# Allegro board 08_038702e.brd (continued)
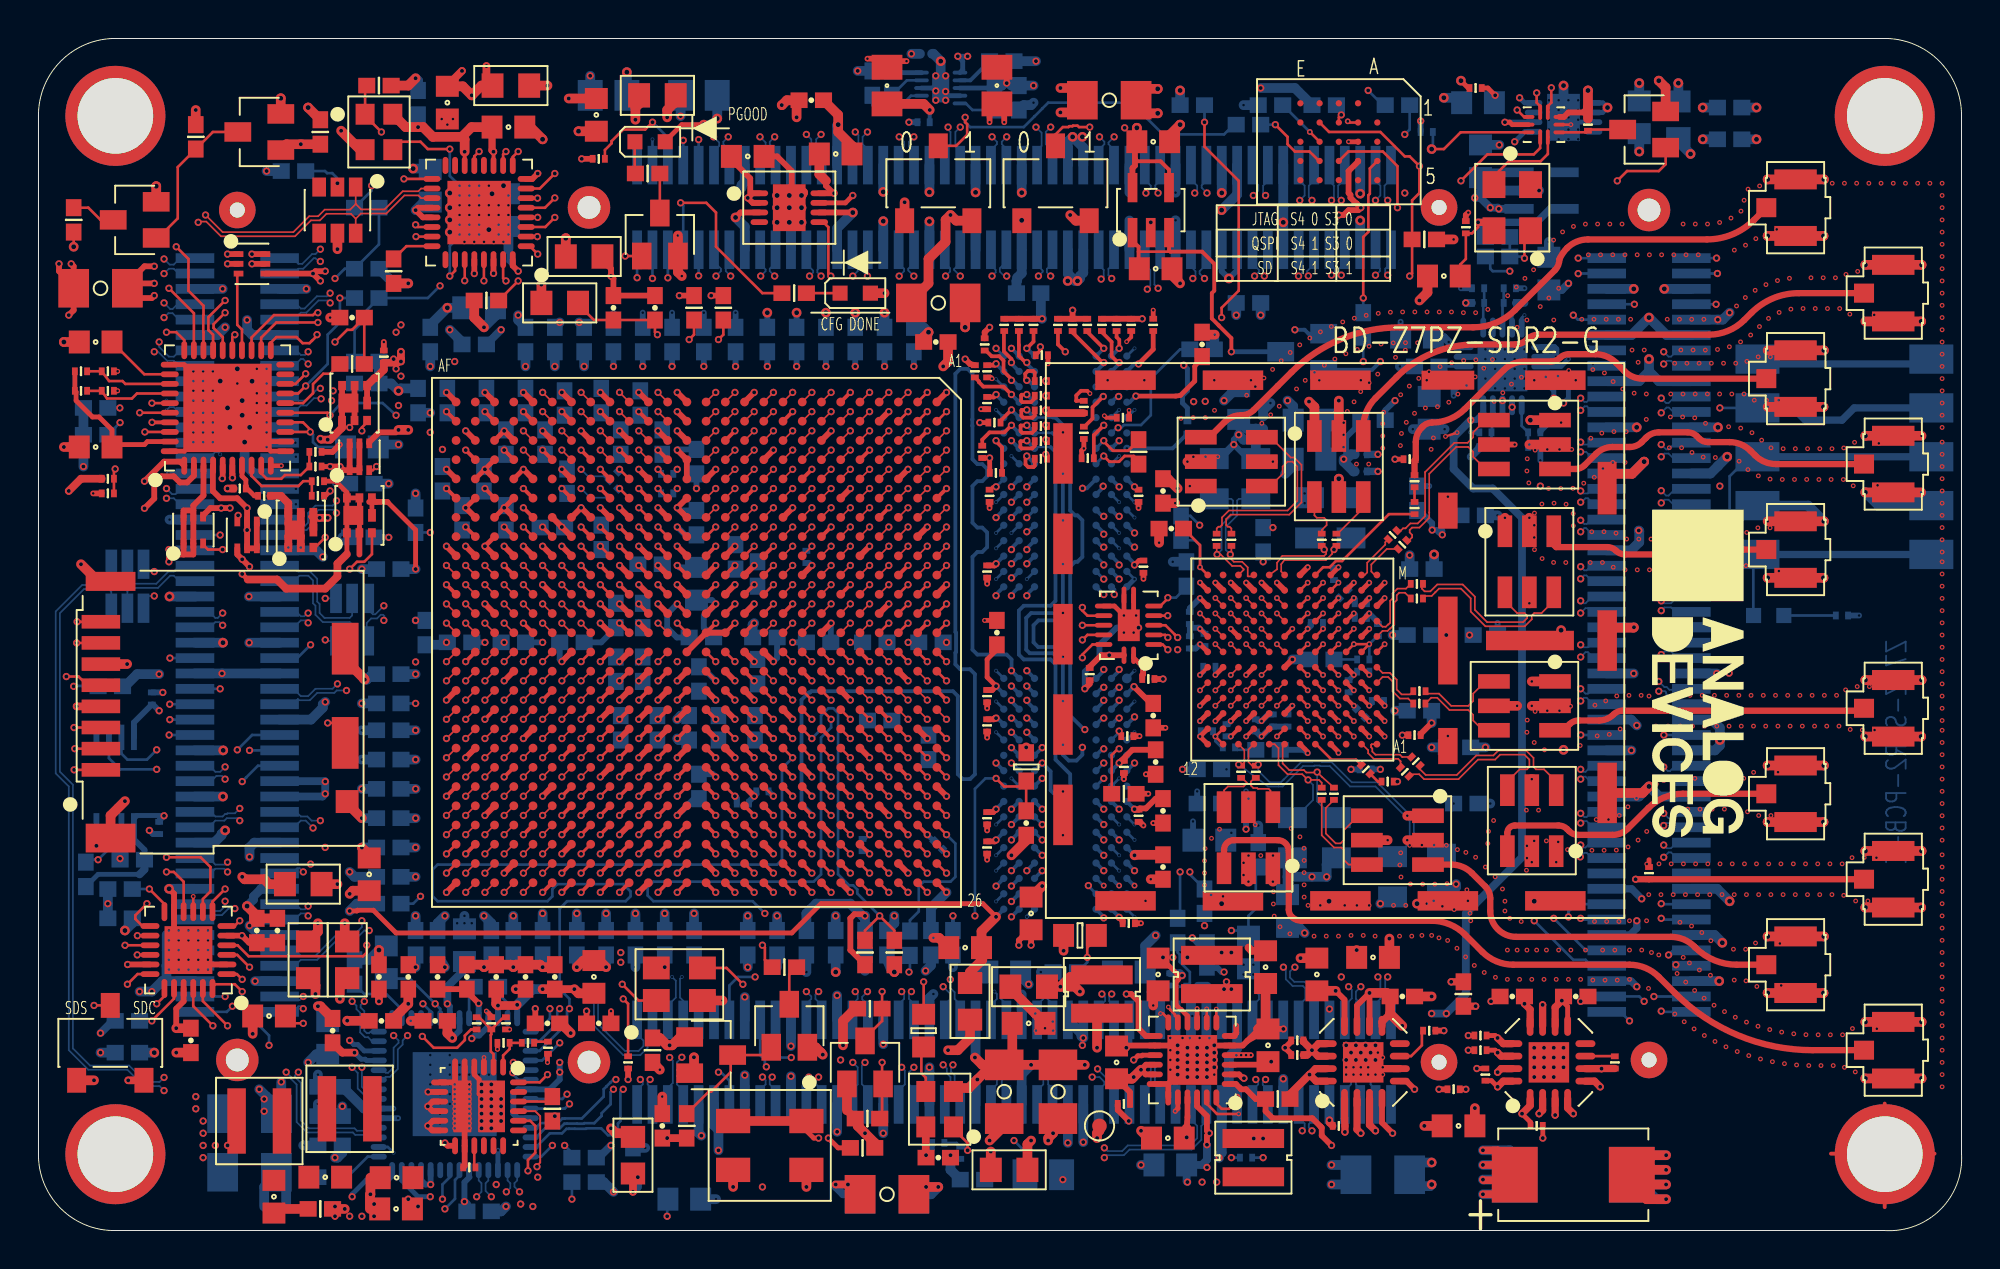
[diagram p0: board, top side]
## Library data of the parts (continued)
SW1 = SWSPST4PIN_V2: User Part Number: UPN; Tolerance: N/A; alternate symbols: (); part number: SWSPST4PIN_V2_SM-7914J-1-000E,E011086,SWSMSQ197H165; tolerance: N/A
T1-T8 = XFMRTCMXXXX_V3: Tolerance: N/A; User Part Number: UPN; alternate symbols: (); part number: XFMRTCMXXXX_V3_SM-TCM1-63AX+,E018203,TSML150W160H160; tolerance: N/A
TP2 = NCTESTPAD: Tolerance: N/A; User Part Number: UPN; alternate symbols: (); part number: NCTESTPAD_SM-TESTPAD,E012884,TPSMC30; tolerance: N/A
U1 = ICXC7Z035: Tolerance: N/A; User Part Number: UPN; alternate symbols: (); part number: ICXC7Z035_SM-XC7Z035-L2FBG676I,E022235,FBGA676; tolerance: N/A
U2 U3 = ICMT41K256M16: User Part Number: UPN; Tolerance: N/A; alternate symbols: (); part number: ICMT41K256M16_SM-MT41K256M16TW-107:P,E025442,FBGA96_C; tolerance: N/A
U4 = ADP5135: Tolerance: N/A; User Part Number: UPN; alternate symbols: (); part number: ADP5135_SM-ADP5135,E019805,QFN24_4X4_PAD2_6X2_6; tolerance: N/A
U5 = ADG772: User Part Number: UPN; Tolerance: N/A; alternate symbols: (); part number: ADG772_SM-ADG772BCPZ,E010354,QFN10_1_6X1_3; tolerance: N/A
U6 = ADP7102: Tolerance: N/A; User Part Number: UPN; alternate symbols: (); part number: ADP7102_SM-ADP7102ACPZ-2.5,E021467,QFN8_3X3_PAD2_44X1_7; tolerance: N/A
U7 = ADM1166: User Part Number: UPN; Tolerance: N/A; alternate symbols: (); part number: ADM1166_SM-ADM1166ACPZ,E016939,QFN40_6X6_PAD4_6X4_6; tolerance: N/A
U8 = ADM7160: User Part Number: UPN; Tolerance: N/A; alternate symbols: (); part number: ADM7160_SM-ADM7160AUJZ-1.8,E018469,TSOT-5; tolerance: N/A
U9 = ADP7104: Tolerance: N/A; User Part Number: UPN; alternate symbols: (); part number: ADP7104_SM-ADP7104ACPZ-3.3-R7,E014912,QFN8_3X3_PAD2_44X1_7; tolerance: N/A
U10 = IC88E151X: User Part Number: UPN; Tolerance: N/A; alternate symbols: (); part number: IC88E151X_SM-88E1512-56QFN,E018914,QFN56_8X8_PAD4_37X4_37; tolerance: N/A
U11 = ICTXS02612RTW: User Part Number: UPN; Tolerance: N/A; alternate symbols: (); part number: ICTXS02612RTW_SM-TXS02612RTWR,E021332,QFN24_4X4_PAD2_5X2_5; tolerance: N/A
U13 = ICN25Q256A_V2: User Part Number: UPN; Tolerance: N/A; alternate symbols: (); part number: ICN25Q256A_V2_SM-N25Q256A11E1240,E023338,TBGA24; tolerance: N/A
U14 = ICTPS51206: Tolerance: N/A; User Part Number: UPN; alternate symbols: (); part number: ICTPS51206_SM-TPS51206DSQR,E021346,SON10_2X2_PAD1_5X0_9; tolerance: N/A
U15 = ICUSB3320C: Tolerance: N/A; User Part Number: UPN; alternate symbols: (); part number: ICUSB3320C_SM-USB3320C-EZK,E021334,QFN32_5X5_PAD3_3X3_3; tolerance: N/A
U16 = DIO6P_V8: User Part Number: UPN; Tolerance: N/A; alternate symbols: (); part number: DIO6P_V8_SM-CDSOT23-SR208,20V,N/A,E021337,SOT23_6-2; tolerance: N/A
U17 = AD9361: Tolerance: N/A; User Part Number: UPN; alternate symbols: (); part number: AD9361_SM-AD9361BBCZ,E011827,BGA144; tolerance: N/A
U18 = ADP238X: User Part Number: UPN; Tolerance: N/A; alternate symbols: (); part number: ADP238X_SM-ADP2386ACPZN,E012985,QFN24_4X4_2PAD; tolerance: N/A
U19 U20 = ADP1754: Tolerance: N/A; User Part Number: UPN; alternate symbols: (); part number: ADP1754_SM-ADP1754ACPZ-1.3,E022696,QFN16_4X4_PAD2_1X2_1; tolerance: N/A
U21 = CMOSTCA9517: Tolerance: N/A; User Part Number: UPN; alternate symbols: (); part number: CMOSTCA9517_SM-TCA9517DGKR,E022173,MSOP8; tolerance: N/A
U22 = ICFXL4T245: Tolerance: N/A; User Part Number: UPN; alternate symbols: (); part number: ICFXL4T245_SM-FXL4T245BQX,E021654,DQFN14_3X2_5_PAD1_65X1_15; tolerance: N/A
U23 = ADP7118_V2: User Part Number: UPN; Tolerance: N/A; alternate symbols: (); part number: ADP7118_V2_SM-ADP7118AUJZ-3.3,E021874,TSOT-5; tolerance: N/A
U24 = AD7291: User Part Number: UPN; Tolerance: N/A; alternate symbols: (); part number: AD7291_SM-AD7291BCPZ,E017361,QFN20_4X4_PAD2_6X2_6; tolerance: N/A
Y1 = XTALOSC4P_V7: Tolerance: N/A; User Part Number: UPN; alternate symbols: (); part number: XTALOSC4P_V7_SM-33.333MEGHZ,E024048,YSML98W79H35; tolerance: N/A
Y2 = XTAL4PIN_V3: Tolerance: +/-20PPM; User Part Number: UPN; alternate symbols: (); part number: XTAL4PIN_V3_SM-25MEGHZ,E023420,YSML126W98H39; tolerance: +/-20PPM
Y3 = XTALOSC4P_V7: Tolerance: N/A; User Part Number: UPN; alternate symbols: (); part number: XTALOSC4P_V7_SM-24MEGHZ,E022374,YSML98W79H35; tolerance: N/A
Y4 = XTALOSC4P_V21: Tolerance: N/A; User Part Number: UPN; alternate symbols: (); part number: XTALOSC4P_V21_SM-40MEGHZ,E020493,YSML126W98H47; tolerance: N/A

## Footprints (pads in the part's own frame, mm; a bottom-side part is the same pattern mirrored in y, then rotated)
BGA144
  round 0.356 smd: A1(-4.4,-4.4) A2(-4.4,-3.6) A3(-4.4,-2.8) A4(-4.4,-2) A5(-4.4,-1.2) A6(-4.4,-0.4) A7(-4.4,0.4) A8(-4.4,1.2) A9(-4.4,2) A10(-4.4,2.8) A11(-4.4,3.6) A12(-4.4,4.4) B1(-3.6,-4.4) B2(-3.6,-3.6) B3(-3.6,-2.8) B4(-3.6,-2) B5(-3.6,-1.2) B6(-3.6,-0.4) B7(-3.6,0.4) B8(-3.6,1.2) B9(-3.6,2) B10(-3.6,2.8) B11(-3.6,3.6) B12(-3.6,4.4) C1(-2.8,-4.4) C2(-2.8,-3.6) C3(-2.8,-2.8) C4(-2.8,-2) C5(-2.8,-1.2) C6(-2.8,-0.4) C7(-2.8,0.4) C8(-2.8,1.2) C9(-2.8,2) C10(-2.8,2.8) C11(-2.8,3.6) C12(-2.8,4.4) D1(-2,-4.4) D2(-2,-3.6) D3(-2,-2.8) D4(-2,-2) D5(-2,-1.2) D6(-2,-0.4) D7(-2,0.4) D8(-2,1.2) D9(-2,2) D10(-2,2.8) D11(-2,3.6) D12(-2,4.4) E1(-1.2,-4.4) E2(-1.2,-3.6) E3(-1.2,-2.8) E4(-1.2,-2) E5(-1.2,-1.2) E6(-1.2,-0.4) E7(-1.2,0.4) E8(-1.2,1.2) E9(-1.2,2) E10(-1.2,2.8) E11(-1.2,3.6) E12(-1.2,4.4) F1(-0.4,-4.4) F2(-0.4,-3.6) F3(-0.4,-2.8) F4(-0.4,-2) F5(-0.4,-1.2) F6(-0.4,-0.4) F7(-0.4,0.4) F8(-0.4,1.2) F9(-0.4,2) F10(-0.4,2.8) F11(-0.4,3.6) F12(-0.4,4.4) G1(0.4,-4.4) G2(0.4,-3.6) G3(0.4,-2.8) G4(0.4,-2) G5(0.4,-1.2) G6(0.4,-0.4) G7(0.4,0.4) G8(0.4,1.2) G9(0.4,2) G10(0.4,2.8) G11(0.4,3.6) G12(0.4,4.4) H1(1.2,-4.4) H2(1.2,-3.6) H3(1.2,-2.8) H4(1.2,-2) H5(1.2,-1.2) H6(1.2,-0.4) H7(1.2,0.4) H8(1.2,1.2) H9(1.2,2) H10(1.2,2.8) H11(1.2,3.6) H12(1.2,4.4) J1(2,-4.4) J2(2,-3.6) J3(2,-2.8) J4(2,-2) J5(2,-1.2) J6(2,-0.4) J7(2,0.4) J8(2,1.2) J9(2,2) J10(2,2.8) J11(2,3.6) J12(2,4.4) K1(2.8,-4.4) K2(2.8,-3.6) K3(2.8,-2.8) K4(2.8,-2) K5(2.8,-1.2) K6(2.8,-0.4) K7(2.8,0.4) K8(2.8,1.2) K9(2.8,2) K10(2.8,2.8) K11(2.8,3.6) K12(2.8,4.4) L1(3.6,-4.4) L2(3.6,-3.6) L3(3.6,-2.8) L4(3.6,-2) L5(3.6,-1.2) L6(3.6,-0.4) L7(3.6,0.4) L8(3.6,1.2) L9(3.6,2) L10(3.6,2.8) L11(3.6,3.6) L12(3.6,4.4) M1(4.4,-4.4) M2(4.4,-3.6) M3(4.4,-2.8) M4(4.4,-2) M5(4.4,-1.2) M6(4.4,-0.4) M7(4.4,0.4) M8(4.4,1.2) M9(4.4,2) M10(4.4,2.8) M11(4.4,3.6) M12(4.4,4.4)
C0201
  rect 0.305x0.406 smd: 1(-0.318,0) 2(0.318,0)
C0402
  rect 0.889x0.813 smd: 1(-0.635,0) 2(0.635,0)
C0603
  rect 1.092x1.194 smd: 1(-0.851,0) 2(0.851,0)
C0805
  rect 1.295x1.6 smd: 1(-0.953,0) 2(0.953,0)
C0805H60
  rect 1.295x1.6 smd: 1(-0.953,0) 2(0.953,0)
C1206H71
  rect 1.6x2.007 smd: 1(-1.397,0) 2(1.397,0)
CNFCI61082-101400
  round 2.21 hole 1.194 unplated: (-22.1,0)
  round 1.905 hole 0.787 unplated: (22.1,0)
  rect 0.508x2.007 smd: 1(-19.6,-2.2) 2(-19.6,2.2) 3(-18.8,-2.2) 4(-18.8,2.2) 5(-18,-2.2) 6(-18,2.2) 7(-17.2,-2.2) 8(-17.2,2.2) 9(-16.4,-2.2) 10(-16.4,2.2) 11(-15.6,-2.2) 12(-15.6,2.2) 13(-14.8,-2.2) 14(-14.8,2.2) 15(-14,-2.2) 16(-14,2.2) 17(-13.2,-2.2) 18(-13.2,2.2) 19(-12.4,-2.2) 20(-12.4,2.2) 21(-11.6,-2.2) 22(-11.6,2.2) 23(-10.8,-2.2) 24(-10.8,2.2) 25(-10,-2.2) 26(-10,2.2) 27(-9.2,-2.2) 28(-9.2,2.2) 29(-8.4,-2.2) 30(-8.4,2.2) 31(-7.6,-2.2) 32(-7.6,2.2) 33(-6.8,-2.2) 34(-6.8,2.2) 35(-6,-2.2) 36(-6,2.2) 37(-5.2,-2.2) 38(-5.2,2.2) 39(-4.4,-2.2) 40(-4.4,2.2) 41(-3.6,-2.2) 42(-3.6,2.2) 43(-2.8,-2.2) 44(-2.8,2.2) 45(-2,-2.2) 46(-2,2.2) 47(-1.2,-2.2) 48(-1.2,2.2) 49(-0.4,-2.2) 50(-0.4,2.2) 51(0.4,-2.2) 52(0.4,2.2) 53(1.2,-2.2) 54(1.2,2.2) 55(2,-2.2) 56(2,2.2) 57(2.8,-2.2) 58(2.8,2.2) 59(3.6,-2.2) 60(3.6,2.2) 61(4.4,-2.2) 62(4.4,2.2) 63(5.2,-2.2) 64(5.2,2.2) 65(6,-2.2) 66(6,2.2) 67(6.8,-2.2) 68(6.8,2.2) 69(7.6,-2.2) 70(7.6,2.2) 71(8.4,-2.2) 72(8.4,2.2) 73(9.2,-2.2) 74(9.2,2.2) 75(10,-2.2) 76(10,2.2) 77(10.8,-2.2) 78(10.8,2.2) 79(11.6,-2.2) 80(11.6,2.2) 81(12.4,-2.2) 82(12.4,2.2) 83(13.2,-2.2) 84(13.2,2.2) 85(14,-2.2) 86(14,2.2) 87(14.8,-2.2) 88(14.8,2.2) 89(15.6,-2.2) 90(15.6,2.2) 91(16.4,-2.2) 92(16.4,2.2) 93(17.2,-2.2) 94(17.2,2.2) 95(18,-2.2) 96(18,2.2) 97(18.8,-2.2) 98(18.8,2.2) 99(19.6,-2.2) 100(19.6,2.2)
CNHIROSE-U_FL-R-SMT-1
  rect 0.991x1.041 smd: 1(0,-1.521)
  rect 1.041x2.21 smd: 2(-1.471,0) 3(1.471,0)
CNHIROSEDM3CS-SF
  rect 2.007x0.711 smd: 1(-6.204,-3.2) 2(-6.204,-2.1) 3(-6.204,-1) 4(-6.204,0.1) 5(-6.204,1.2) 6(-6.204,2.3) 7(-6.204,3.4) 8(-6.204,4.5)
  rect 1.397x2.692 smd: 9(6.5,-1.8) GND3(6.5,3.1)
  rect 2.591x1.499 smd: GND1(-5.7,-6.75)
  rect 1.194x1.194 smd: GND2(6.6,-4.85)
  rect 2.591x0.991 smd: GND4(-5.7,6.6)
CNTE5147733-4
  rect 1.524x2.286 smd: A1(-5.08,-4.52) A2(-2.54,-4.52) A3(0,-4.52) A4(2.54,-4.52) A5(5.08,-4.52) B1(-5.08,4.52) B2(-2.54,4.52) B3(0,4.52) B4(2.54,4.52) B5(5.08,4.52)
CPLSML287W169H118
  rect 2.388x2.896 smd: N(3.044,0) P(-3.044,0)
DQFN14_3X2_5_PAD1_65X1_15
  oval 0.914x0.254 smd: 1(-1.557,-0.25) 7(1.557,-0.25) 8(1.557,0.25) 14(-1.557,0.25)
  oval 0.254x0.914 smd: 2(-1,-1.307) 3(-0.5,-1.307) 4(0,-1.307) 5(0.5,-1.307) 6(1,-1.307) 9(1,1.307) 10(0.5,1.307) 11(0,1.307) 12(-0.5,1.307) 13(-1,1.307)
  rect 1.651x1.143 smd: PAD(0,0)
FBGA96_C
  round 0.381 smd: A1(-6,-3.2) A2(-6,-2.4) A3(-6,-1.6) A7(-6,1.6) A8(-6,2.4) A9(-6,3.2) B1(-5.2,-3.2) B2(-5.2,-2.4) B3(-5.2,-1.6) B7(-5.2,1.6) B8(-5.2,2.4) B9(-5.2,3.2) C1(-4.4,-3.2) C2(-4.4,-2.4) C3(-4.4,-1.6) C7(-4.4,1.6) C8(-4.4,2.4) C9(-4.4,3.2) D1(-3.6,-3.2) D2(-3.6,-2.4) D3(-3.6,-1.6) D7(-3.6,1.6) D8(-3.6,2.4) D9(-3.6,3.2) E1(-2.8,-3.2) E2(-2.8,-2.4) E3(-2.8,-1.6) E7(-2.8,1.6) E8(-2.8,2.4) E9(-2.8,3.2) F1(-2,-3.2) F2(-2,-2.4) F3(-2,-1.6) F7(-2,1.6) F8(-2,2.4) F9(-2,3.2) G1(-1.2,-3.2) G2(-1.2,-2.4) G3(-1.2,-1.6) G7(-1.2,1.6) G8(-1.2,2.4) G9(-1.2,3.2) H1(-0.4,-3.2) H2(-0.4,-2.4) H3(-0.4,-1.6) H7(-0.4,1.6) H8(-0.4,2.4) H9(-0.4,3.2) J1(0.4,-3.2) J2(0.4,-2.4) J3(0.4,-1.6) J7(0.4,1.6) J8(0.4,2.4) J9(0.4,3.2) K1(1.2,-3.2) K2(1.2,-2.4) K3(1.2,-1.6) K7(1.2,1.6) K8(1.2,2.4) K9(1.2,3.2) L1(2,-3.2) L2(2,-2.4) L3(2,-1.6) L7(2,1.6) L8(2,2.4) L9(2,3.2) M1(2.8,-3.2) M2(2.8,-2.4) M3(2.8,-1.6) M7(2.8,1.6) M8(2.8,2.4) M9(2.8,3.2) N1(3.6,-3.2) N2(3.6,-2.4) N3(3.6,-1.6) N7(3.6,1.6) N8(3.6,2.4) N9(3.6,3.2) P1(4.4,-3.2) P2(4.4,-2.4) P3(4.4,-1.6) P7(4.4,1.6) P8(4.4,2.4) P9(4.4,3.2) R1(5.2,-3.2) R2(5.2,-2.4) R3(5.2,-1.6) R7(5.2,1.6) R8(5.2,2.4) R9(5.2,3.2) T1(6,-3.2) T2(6,-2.4) T3(6,-1.6) T7(6,1.6) T8(6,2.4) T9(6,3.2)
FBGA676
  round 0.457 smd: A1(-12.5,-12.5) A2(-12.5,-11.5) A3(-12.5,-10.5) A4(-12.5,-9.5) A5(-12.5,-8.5) A6(-12.5,-7.5) A7(-12.5,-6.5) A8(-12.5,-5.5) A9(-12.5,-4.5) A10(-12.5,-3.5) A11(-12.5,-2.5) A12(-12.5,-1.5) A13(-12.5,-0.5) A14(-12.5,0.5) A15(-12.5,1.5) A16(-12.5,2.5) A17(-12.5,3.5) A18(-12.5,4.5) A19(-12.5,5.5) A20(-12.5,6.5) A21(-12.5,7.5) A22(-12.5,8.5) A23(-12.5,9.5) A24(-12.5,10.5) A25(-12.5,11.5) A26(-12.5,12.5) AA1(7.5,-12.5) AA2(7.5,-11.5) AA3(7.5,-10.5) AA4(7.5,-9.5) AA5(7.5,-8.5) AA6(7.5,-7.5) AA7(7.5,-6.5) AA8(7.5,-5.5) AA9(7.5,-4.5) AA10(7.5,-3.5) AA11(7.5,-2.5) AA12(7.5,-1.5) AA13(7.5,-0.5) AA14(7.5,0.5) AA15(7.5,1.5) AA16(7.5,2.5) AA17(7.5,3.5) AA18(7.5,4.5) AA19(7.5,5.5) AA20(7.5,6.5) AA21(7.5,7.5) AA22(7.5,8.5) AA23(7.5,9.5) AA24(7.5,10.5) AA25(7.5,11.5) AA26(7.5,12.5) AB1(8.5,-12.5) AB2(8.5,-11.5) AB3(8.5,-10.5) AB4(8.5,-9.5) AB5(8.5,-8.5) AB6(8.5,-7.5) AB7(8.5,-6.5) AB8(8.5,-5.5) AB9(8.5,-4.5) AB10(8.5,-3.5) AB11(8.5,-2.5) AB12(8.5,-1.5) AB13(8.5,-0.5) AB14(8.5,0.5) AB15(8.5,1.5) AB16(8.5,2.5) AB17(8.5,3.5) AB18(8.5,4.5) AB19(8.5,5.5) AB20(8.5,6.5) AB21(8.5,7.5) AB22(8.5,8.5) AB23(8.5,9.5) AB24(8.5,10.5) AB25(8.5,11.5) AB26(8.5,12.5) AC1(9.5,-12.5) AC2(9.5,-11.5) AC3(9.5,-10.5) AC4(9.5,-9.5) AC5(9.5,-8.5) AC6(9.5,-7.5) AC7(9.5,-6.5) AC8(9.5,-5.5) AC9(9.5,-4.5) AC10(9.5,-3.5) AC11(9.5,-2.5) AC12(9.5,-1.5) AC13(9.5,-0.5) AC14(9.5,0.5) AC15(9.5,1.5) AC16(9.5,2.5) AC17(9.5,3.5) AC18(9.5,4.5) AC19(9.5,5.5) AC20(9.5,6.5) AC21(9.5,7.5) AC22(9.5,8.5) AC23(9.5,9.5) AC24(9.5,10.5) AC25(9.5,11.5) AC26(9.5,12.5) AD1(10.5,-12.5) AD2(10.5,-11.5) AD3(10.5,-10.5) AD4(10.5,-9.5) AD5(10.5,-8.5) AD6(10.5,-7.5) AD7(10.5,-6.5) AD8(10.5,-5.5) AD9(10.5,-4.5) AD10(10.5,-3.5) AD11(10.5,-2.5) AD12(10.5,-1.5) AD13(10.5,-0.5) AD14(10.5,0.5) AD15(10.5,1.5) AD16(10.5,2.5) AD17(10.5,3.5) AD18(10.5,4.5) AD19(10.5,5.5) AD20(10.5,6.5) AD21(10.5,7.5) AD22(10.5,8.5) AD23(10.5,9.5) AD24(10.5,10.5) AD25(10.5,11.5) AD26(10.5,12.5) AE1(11.5,-12.5) AE2(11.5,-11.5) AE3(11.5,-10.5) AE4(11.5,-9.5) AE5(11.5,-8.5) AE6(11.5,-7.5) AE7(11.5,-6.5) AE8(11.5,-5.5) AE9(11.5,-4.5) AE10(11.5,-3.5) AE11(11.5,-2.5) AE12(11.5,-1.5) AE13(11.5,-0.5) AE14(11.5,0.5) AE15(11.5,1.5) AE16(11.5,2.5) AE17(11.5,3.5) AE18(11.5,4.5) AE19(11.5,5.5) AE20(11.5,6.5) AE21(11.5,7.5) AE22(11.5,8.5) AE23(11.5,9.5) AE24(11.5,10.5) AE25(11.5,11.5) AE26(11.5,12.5) AF1(12.5,-12.5) AF2(12.5,-11.5) AF3(12.5,-10.5) AF4(12.5,-9.5) AF5(12.5,-8.5) AF6(12.5,-7.5) AF7(12.5,-6.5) AF8(12.5,-5.5) AF9(12.5,-4.5) AF10(12.5,-3.5) AF11(12.5,-2.5) AF12(12.5,-1.5) AF13(12.5,-0.5) AF14(12.5,0.5) AF15(12.5,1.5) AF16(12.5,2.5) AF17(12.5,3.5) AF18(12.5,4.5) AF19(12.5,5.5) AF20(12.5,6.5) AF21(12.5,7.5) AF22(12.5,8.5) AF23(12.5,9.5) AF24(12.5,10.5) AF25(12.5,11.5) AF26(12.5,12.5) B1(-11.5,-12.5) B2(-11.5,-11.5) B3(-11.5,-10.5) B4(-11.5,-9.5) B5(-11.5,-8.5) B6(-11.5,-7.5) B7(-11.5,-6.5) B8(-11.5,-5.5) B9(-11.5,-4.5) B10(-11.5,-3.5) B11(-11.5,-2.5) B12(-11.5,-1.5) B13(-11.5,-0.5) B14(-11.5,0.5) B15(-11.5,1.5) B16(-11.5,2.5) B17(-11.5,3.5) B18(-11.5,4.5) B19(-11.5,5.5) B20(-11.5,6.5) B21(-11.5,7.5) B22(-11.5,8.5) B23(-11.5,9.5) B24(-11.5,10.5) B25(-11.5,11.5) B26(-11.5,12.5) C1(-10.5,-12.5) C2(-10.5,-11.5) C3(-10.5,-10.5) C4(-10.5,-9.5) C5(-10.5,-8.5) C6(-10.5,-7.5) C7(-10.5,-6.5) C8(-10.5,-5.5) C9(-10.5,-4.5) C10(-10.5,-3.5) C11(-10.5,-2.5) C12(-10.5,-1.5) C13(-10.5,-0.5) C14(-10.5,0.5) C15(-10.5,1.5) C16(-10.5,2.5) C17(-10.5,3.5) C18(-10.5,4.5) C19(-10.5,5.5) C20(-10.5,6.5) C21(-10.5,7.5) C22(-10.5,8.5) C23(-10.5,9.5) C24(-10.5,10.5) C25(-10.5,11.5) C26(-10.5,12.5) D1(-9.5,-12.5) D2(-9.5,-11.5) D3(-9.5,-10.5) D4(-9.5,-9.5) D5(-9.5,-8.5) D6(-9.5,-7.5) D7(-9.5,-6.5) D8(-9.5,-5.5) D9(-9.5,-4.5) D10(-9.5,-3.5) D11(-9.5,-2.5) D12(-9.5,-1.5) D13(-9.5,-0.5) D14(-9.5,0.5) D15(-9.5,1.5) D16(-9.5,2.5) D17(-9.5,3.5) D18(-9.5,4.5) D19(-9.5,5.5) D20(-9.5,6.5) D21(-9.5,7.5) D22(-9.5,8.5) D23(-9.5,9.5) D24(-9.5,10.5) D25(-9.5,11.5) D26(-9.5,12.5) E1(-8.5,-12.5) E2(-8.5,-11.5) E3(-8.5,-10.5) E4(-8.5,-9.5) E5(-8.5,-8.5) E6(-8.5,-7.5) E7(-8.5,-6.5) E8(-8.5,-5.5) E9(-8.5,-4.5) E10(-8.5,-3.5) E11(-8.5,-2.5) E12(-8.5,-1.5) E13(-8.5,-0.5) E14(-8.5,0.5) E15(-8.5,1.5) E16(-8.5,2.5) E17(-8.5,3.5) E18(-8.5,4.5) E19(-8.5,5.5) E20(-8.5,6.5) E21(-8.5,7.5) E22(-8.5,8.5) E23(-8.5,9.5) E24(-8.5,10.5) E25(-8.5,11.5) E26(-8.5,12.5) F1(-7.5,-12.5) F2(-7.5,-11.5) F3(-7.5,-10.5) F4(-7.5,-9.5) F5(-7.5,-8.5) F6(-7.5,-7.5) F7(-7.5,-6.5) F8(-7.5,-5.5) F9(-7.5,-4.5) F10(-7.5,-3.5) F11(-7.5,-2.5) F12(-7.5,-1.5) F13(-7.5,-0.5) F14(-7.5,0.5) F15(-7.5,1.5) F16(-7.5,2.5) F17(-7.5,3.5) F18(-7.5,4.5) F19(-7.5,5.5) F20(-7.5,6.5) F21(-7.5,7.5) F22(-7.5,8.5) F23(-7.5,9.5) F24(-7.5,10.5) F25(-7.5,11.5) F26(-7.5,12.5) G1(-6.5,-12.5) G2(-6.5,-11.5) G3(-6.5,-10.5) G4(-6.5,-9.5) G5(-6.5,-8.5) G6(-6.5,-7.5) G7(-6.5,-6.5) G8(-6.5,-5.5) G9(-6.5,-4.5) G10(-6.5,-3.5) G11(-6.5,-2.5) G12(-6.5,-1.5) G13(-6.5,-0.5) G14(-6.5,0.5) G15(-6.5,1.5) G16(-6.5,2.5) G17(-6.5,3.5) G18(-6.5,4.5) G19(-6.5,5.5) G20(-6.5,6.5) G21(-6.5,7.5) G22(-6.5,8.5) G23(-6.5,9.5) G24(-6.5,10.5) G25(-6.5,11.5) G26(-6.5,12.5) H1(-5.5,-12.5) H2(-5.5,-11.5) H3(-5.5,-10.5) H4(-5.5,-9.5) H5(-5.5,-8.5) H6(-5.5,-7.5) H7(-5.5,-6.5) H8(-5.5,-5.5) H9(-5.5,-4.5) H10(-5.5,-3.5) H11(-5.5,-2.5) H12(-5.5,-1.5) H13(-5.5,-0.5) H14(-5.5,0.5) H15(-5.5,1.5) H16(-5.5,2.5) H17(-5.5,3.5) H18(-5.5,4.5) H19(-5.5,5.5) H20(-5.5,6.5) H21(-5.5,7.5) H22(-5.5,8.5) H23(-5.5,9.5) H24(-5.5,10.5) H25(-5.5,11.5) H26(-5.5,12.5) J1(-4.5,-12.5) J2(-4.5,-11.5) J3(-4.5,-10.5) J4(-4.5,-9.5) J5(-4.5,-8.5) J6(-4.5,-7.5) J7(-4.5,-6.5) J8(-4.5,-5.5) J9(-4.5,-4.5) J10(-4.5,-3.5) J11(-4.5,-2.5) J12(-4.5,-1.5) J13(-4.5,-0.5) J14(-4.5,0.5) J15(-4.5,1.5) J16(-4.5,2.5) J17(-4.5,3.5) J18(-4.5,4.5) J19(-4.5,5.5) J20(-4.5,6.5) J21(-4.5,7.5) J22(-4.5,8.5) J23(-4.5,9.5) J24(-4.5,10.5) J25(-4.5,11.5) J26(-4.5,12.5) K1(-3.5,-12.5) K2(-3.5,-11.5) K3(-3.5,-10.5) K4(-3.5,-9.5) K5(-3.5,-8.5) K6(-3.5,-7.5) K7(-3.5,-6.5) K8(-3.5,-5.5) K9(-3.5,-4.5) K10(-3.5,-3.5) K11(-3.5,-2.5) K12(-3.5,-1.5) K13(-3.5,-0.5) K14(-3.5,0.5) K15(-3.5,1.5) K16(-3.5,2.5) K17(-3.5,3.5) K18(-3.5,4.5) K19(-3.5,5.5) K20(-3.5,6.5) K21(-3.5,7.5) K22(-3.5,8.5) K23(-3.5,9.5) K24(-3.5,10.5) K25(-3.5,11.5) K26(-3.5,12.5) L1(-2.5,-12.5) L2(-2.5,-11.5) L3(-2.5,-10.5) L4(-2.5,-9.5) L5(-2.5,-8.5) L6(-2.5,-7.5) L7(-2.5,-6.5) L8(-2.5,-5.5) L9(-2.5,-4.5) L10(-2.5,-3.5) L11(-2.5,-2.5) L12(-2.5,-1.5) L13(-2.5,-0.5) L14(-2.5,0.5) L15(-2.5,1.5) L16(-2.5,2.5) L17(-2.5,3.5) L18(-2.5,4.5) L19(-2.5,5.5) L20(-2.5,6.5) L21(-2.5,7.5) L22(-2.5,8.5) L23(-2.5,9.5) L24(-2.5,10.5) L25(-2.5,11.5) L26(-2.5,12.5) M1(-1.5,-12.5) M2(-1.5,-11.5) M3(-1.5,-10.5) M4(-1.5,-9.5) M5(-1.5,-8.5) M6(-1.5,-7.5) M7(-1.5,-6.5) M8(-1.5,-5.5) M9(-1.5,-4.5) M10(-1.5,-3.5) M11(-1.5,-2.5) M12(-1.5,-1.5) M13(-1.5,-0.5) M14(-1.5,0.5) M15(-1.5,1.5) M16(-1.5,2.5) M17(-1.5,3.5) M18(-1.5,4.5) M19(-1.5,5.5) M20(-1.5,6.5) M21(-1.5,7.5) M22(-1.5,8.5) M23(-1.5,9.5) M24(-1.5,10.5) M25(-1.5,11.5) M26(-1.5,12.5) N1(-0.5,-12.5) N2(-0.5,-11.5) N3(-0.5,-10.5) N4(-0.5,-9.5) N5(-0.5,-8.5) N6(-0.5,-7.5) N7(-0.5,-6.5) N8(-0.5,-5.5) N9(-0.5,-4.5) N10(-0.5,-3.5) N11(-0.5,-2.5) N12(-0.5,-1.5) N13(-0.5,-0.5) N14(-0.5,0.5) N15(-0.5,1.5) N16(-0.5,2.5) N17(-0.5,3.5) N18(-0.5,4.5) N19(-0.5,5.5) N20(-0.5,6.5) N21(-0.5,7.5) N22(-0.5,8.5) N23(-0.5,9.5) N24(-0.5,10.5) N25(-0.5,11.5) N26(-0.5,12.5) P1(0.5,-12.5) P2(0.5,-11.5) P3(0.5,-10.5) P4(0.5,-9.5) P5(0.5,-8.5) P6(0.5,-7.5) P7(0.5,-6.5) P8(0.5,-5.5) P9(0.5,-4.5) P10(0.5,-3.5) P11(0.5,-2.5) P12(0.5,-1.5) P13(0.5,-0.5) P14(0.5,0.5) P15(0.5,1.5) P16(0.5,2.5) P17(0.5,3.5) P18(0.5,4.5) P19(0.5,5.5) P20(0.5,6.5) P21(0.5,7.5) P22(0.5,8.5) P23(0.5,9.5) P24(0.5,10.5) P25(0.5,11.5) P26(0.5,12.5) R1(1.5,-12.5) R2(1.5,-11.5) R3(1.5,-10.5) R4(1.5,-9.5) R5(1.5,-8.5) R6(1.5,-7.5) R7(1.5,-6.5) R8(1.5,-5.5) R9(1.5,-4.5) R10(1.5,-3.5) R11(1.5,-2.5) R12(1.5,-1.5) R13(1.5,-0.5) R14(1.5,0.5) R15(1.5,1.5) R16(1.5,2.5) R17(1.5,3.5) R18(1.5,4.5) R19(1.5,5.5) R20(1.5,6.5) R21(1.5,7.5) R22(1.5,8.5) R23(1.5,9.5) R24(1.5,10.5) R25(1.5,11.5) R26(1.5,12.5) T1(2.5,-12.5) T2(2.5,-11.5) T3(2.5,-10.5) T4(2.5,-9.5) T5(2.5,-8.5) T6(2.5,-7.5) T7(2.5,-6.5) T8(2.5,-5.5) T9(2.5,-4.5) T10(2.5,-3.5) T11(2.5,-2.5) T12(2.5,-1.5) T13(2.5,-0.5) T14(2.5,0.5) T15(2.5,1.5) T16(2.5,2.5) T17(2.5,3.5) T18(2.5,4.5) T19(2.5,5.5) T20(2.5,6.5) T21(2.5,7.5) T22(2.5,8.5) T23(2.5,9.5) T24(2.5,10.5) T25(2.5,11.5) T26(2.5,12.5) U1(3.5,-12.5) U2(3.5,-11.5) U3(3.5,-10.5) U4(3.5,-9.5) U5(3.5,-8.5) U6(3.5,-7.5) U7(3.5,-6.5) U8(3.5,-5.5) U9(3.5,-4.5) U10(3.5,-3.5) U11(3.5,-2.5) U12(3.5,-1.5) U13(3.5,-0.5) U14(3.5,0.5) U15(3.5,1.5) U16(3.5,2.5) U17(3.5,3.5) U18(3.5,4.5) U19(3.5,5.5) U20(3.5,6.5) U21(3.5,7.5) U22(3.5,8.5) U23(3.5,9.5) U24(3.5,10.5) U25(3.5,11.5) U26(3.5,12.5) V1(4.5,-12.5) V2(4.5,-11.5) V3(4.5,-10.5) V4(4.5,-9.5) V5(4.5,-8.5) V6(4.5,-7.5) V7(4.5,-6.5) V8(4.5,-5.5) V9(4.5,-4.5) V10(4.5,-3.5) V11(4.5,-2.5) V12(4.5,-1.5) V13(4.5,-0.5) V14(4.5,0.5) V15(4.5,1.5) V16(4.5,2.5) V17(4.5,3.5) V18(4.5,4.5) V19(4.5,5.5) V20(4.5,6.5) V21(4.5,7.5) V22(4.5,8.5) V23(4.5,9.5) V24(4.5,10.5) V25(4.5,11.5) V26(4.5,12.5) W1(5.5,-12.5) W2(5.5,-11.5) W3(5.5,-10.5) W4(5.5,-9.5) W5(5.5,-8.5) W6(5.5,-7.5) W7(5.5,-6.5) W8(5.5,-5.5) W9(5.5,-4.5) W10(5.5,-3.5) W11(5.5,-2.5) W12(5.5,-1.5) W13(5.5,-0.5) W14(5.5,0.5) W15(5.5,1.5) W16(5.5,2.5) W17(5.5,3.5) W18(5.5,4.5) W19(5.5,5.5) W20(5.5,6.5) W21(5.5,7.5) W22(5.5,8.5) W23(5.5,9.5) W24(5.5,10.5) W25(5.5,11.5) W26(5.5,12.5) Y1(6.5,-12.5) Y2(6.5,-11.5) Y3(6.5,-10.5) Y4(6.5,-9.5) Y5(6.5,-8.5) Y6(6.5,-7.5) Y7(6.5,-6.5) Y8(6.5,-5.5) Y9(6.5,-4.5) Y10(6.5,-3.5) Y11(6.5,-2.5) Y12(6.5,-1.5) Y13(6.5,-0.5) Y14(6.5,0.5) Y15(6.5,1.5) Y16(6.5,2.5) Y17(6.5,3.5) Y18(6.5,4.5) Y19(6.5,5.5) Y20(6.5,6.5) Y21(6.5,7.5) Y22(6.5,8.5) Y23(6.5,9.5) Y24(6.5,10.5) Y25(6.5,11.5) Y26(6.5,12.5)
JPRSLD03
  rect 0.61x1.524 smd: 1(-0.838,0) 2(0,0) 3(0.838,0)
L0402
  rect 0.889x0.813 smd: 1(-0.635,0) 2(0.635,0)
L0603
  rect 0.889x0.813 smd: 1(-0.737,0) 2(0.737,0)
L0805
  rect 1.143x1.27 smd: 1(-0.953,0) 2(0.953,0)
L0805-F
  rect 1.092x1.499 smd: 1(-1.046,0) 2(1.046,0)
LED0603-2
  rect 0.787x0.787 smd: A(0.787,0) C(-0.787,0)
LSMSQ118H47
  rect 0.991x3.2 smd: 1(-0.995,0) 2(0.995,0)
LSMSQ157H63
  rect 0.965x3.404 smd: 1(-1.181,0) 2(1.181,0)
MLP6_2X2_PAD_9X1_PAD_2X_56
  rect 0.406x0.483 smd: 1(-0.65,-0.909) 2(0,-0.909) 3(0.65,-0.909) 4(0.65,0.909) 5(0,0.909) 6(-0.65,0.909)
  rect 1.041x0.991 smd: PAD1(-0.321,0)
  rect 0.406x0.66 smd: PAD2(0.653,0)
MLT15CCC2243A
  rect 3.15x1.016 smd: GND1(-11.455,-13.538) GND3(-0.279,-13.538) GND4(5.309,-13.538) GND5(10.897,-13.538) GND11(10.897,13.538) GND12(5.309,13.538) GND13(-0.279,13.538) GND14(-5.867,13.538) GND15(-11.455,13.538)
  rect 2.743x0.991 smd: GND2(-5.867,-13.538)
  rect 1.016x3.15 smd: GND6(14.148,-9.728) GND7(14.148,-5.029) GND8(14.148,-0.33) GND9(14.148,4.369) GND10(14.148,9.068) GND16(-14.148,7.925) GND17(-14.148,0)
  rect 0.991x2.743 smd: GND18(-14.148,-7.925)
  rect 4.572x1.016 smd: GND19(-10.135,0)
  rect 1.016x1.88 smd: GND20(-5.867,5.486) GND22(-5.867,-6.756)
  rect 1.016x4.572 smd: GND21(-5.867,0)
MSOP8
  rect 0.305x1.321 smd: 1(-0.975,-2.3) 2(-0.325,-2.3) 3(0.325,-2.3) 4(0.975,-2.3) 5(0.975,2.3) 6(0.325,2.3) 7(-0.325,2.3) 8(-0.975,2.3)
QFN8_3X3_PAD2_44X1_7
  oval 0.305x0.914 smd: 1(-0.75,-1.557) 2(-0.25,-1.557) 3(0.25,-1.557) 4(0.75,-1.557) 5(0.75,1.557) 6(0.25,1.557) 7(-0.25,1.557) 8(-0.75,1.557)
  rect 2.438x1.702 smd: PAD(0,0)
QFN10_1_6X1_3
  oval 0.61x0.203 smd: 1(-0.8,-0.4) 4(0.8,-0.4) 5(0.8,0) 6(0.8,0.4) 9(-0.8,0.4) 10(-0.8,0)
  oval 0.203x0.813 smd: 2(-0.2,-0.65) 3(0.2,-0.65) 7(0.2,0.65) 8(-0.2,0.65)
QFN16_4X4_PAD2_1X2_1
  oval 0.356x1.041 smd: 1(-0.975,-1.9) 2(-0.325,-1.9) 3(0.325,-1.9) 4(0.975,-1.9) 9(0.975,1.9) 10(0.325,1.9) 11(-0.325,1.9) 12(-0.975,1.9)
  oval 1.041x0.356 smd: 5(1.9,-0.975) 6(1.9,-0.325) 7(1.9,0.325) 8(1.9,0.975) 13(-1.9,0.975) 14(-1.9,0.325) 15(-1.9,-0.325) 16(-1.9,-0.975)
  rect 2.108x2.108 smd: PAD(0,0)
QFN20_4X4_PAD2_6X2_6
  oval 0.305x1.041 smd: 1(-1,-2.019) 2(-0.5,-2.019) 3(0,-2.019) 4(0.5,-2.019) 5(1,-2.019) 11(1,2.019) 12(0.5,2.019) 13(0,2.019) 14(-0.5,2.019) 15(-1,2.019)
  oval 1.041x0.305 smd: 6(2.019,-1) 7(2.019,-0.5) 8(2.019,0) 9(2.019,0.5) 10(2.019,1) 16(-2.019,1) 17(-2.019,0.5) 18(-2.019,0) 19(-2.019,-0.5) 20(-2.019,-1)
  rect 2.591x2.591 smd: PAD(0,0)
QFN24_4X4_2PAD
  oval 0.305x0.889 smd: 1(-1.25,-2.05) 2(-0.75,-2.05) 3(-0.25,-2.05) 4(0.25,-2.05) 5(0.75,-2.05) 6(1.25,-2.05) 13(1.25,2.05) 14(0.75,2.05) 15(0.25,2.05) 16(-0.25,2.05) 17(-0.75,2.05) 18(-1.25,2.05)
  oval 0.889x0.305 smd: 7(2.05,-1.25) 8(2.05,-0.75) 9(2.05,-0.25) 10(2.05,0.25) 11(2.05,0.75) 12(2.05,1.25) 19(-2.05,1.25) 20(-2.05,0.75) 21(-2.05,0.25) 22(-2.05,-0.25) 23(-2.05,-0.75) 24(-2.05,-1.25)
  rect 1.397x2.692 smd: PAD1(-0.648,0)
  rect 0.94x2.692 smd: PAD2(0.876,0)
QFN24_4X4_PAD2_5X2_5
  oval 0.305x0.991 smd: 1(-1.25,-2) 2(-0.75,-2) 3(-0.25,-2) 4(0.25,-2) 5(0.75,-2) 6(1.25,-2) 13(1.25,2) 14(0.75,2) 15(0.25,2) 16(-0.25,2) 17(-0.75,2) 18(-1.25,2)
  oval 0.991x0.305 smd: 7(2,-1.25) 8(2,-0.75) 9(2,-0.25) 10(2,0.25) 11(2,0.75) 12(2,1.25) 19(-2,1.25) 20(-2,0.75) 21(-2,0.25) 22(-2,-0.25) 23(-2,-0.75) 24(-2,-1.25)
  rect 2.489x2.489 smd: PAD(0,0)
QFN24_4X4_PAD2_6X2_6
  oval 0.305x0.838 smd: 1(-1.25,-1.95) 2(-0.75,-1.95) 3(-0.25,-1.95) 4(0.25,-1.95) 5(0.75,-1.95) 6(1.25,-1.95) 13(1.25,1.95) 14(0.75,1.95) 15(0.25,1.95) 16(-0.25,1.95) 17(-0.75,1.95) 18(-1.25,1.95)
  oval 0.838x0.305 smd: 7(1.95,-1.25) 8(1.95,-0.75) 9(1.95,-0.25) 10(1.95,0.25) 11(1.95,0.75) 12(1.95,1.25) 19(-1.95,1.25) 20(-1.95,0.75) 21(-1.95,0.25) 22(-1.95,-0.25) 23(-1.95,-0.75) 24(-1.95,-1.25)
  rect 2.591x2.591 smd: PAD(0,0)
QFN32_5X5_PAD3_3X3_3
  oval 0.305x0.889 smd: 1(-1.75,-2.45) 2(-1.25,-2.45) 3(-0.75,-2.45) 4(-0.25,-2.45) 5(0.25,-2.45) 6(0.75,-2.45) 7(1.25,-2.45) 8(1.75,-2.45) 17(1.75,2.45) 18(1.25,2.45) 19(0.75,2.45) 20(0.25,2.45) 21(-0.25,2.45) 22(-0.75,2.45) 23(-1.25,2.45) 24(-1.75,2.45)
  oval 0.889x0.305 smd: 9(2.45,-1.75) 10(2.45,-1.25) 11(2.45,-0.75) 12(2.45,-0.25) 13(2.45,0.25) 14(2.45,0.75) 15(2.45,1.25) 16(2.45,1.75) 25(-2.45,1.75) 26(-2.45,1.25) 27(-2.45,0.75) 28(-2.45,0.25) 29(-2.45,-0.25) 30(-2.45,-0.75) 31(-2.45,-1.25) 32(-2.45,-1.75)
  rect 3.302x3.302 smd: PAD(0,0)
QFN40_6X6_PAD4_6X4_6
  oval 0.305x0.94 smd: 1(-2.25,-3.005) 2(-1.75,-3.005) 3(-1.25,-3.005) 4(-0.75,-3.005) 5(-0.25,-3.005) 6(0.25,-3.005) 7(0.75,-3.005) 8(1.25,-3.005) 9(1.75,-3.005) 10(2.25,-3.005) 21(2.25,3.005) 22(1.75,3.005) 23(1.25,3.005) 24(0.75,3.005) 25(0.25,3.005) 26(-0.25,3.005) 27(-0.75,3.005) 28(-1.25,3.005) 29(-1.75,3.005) 30(-2.25,3.005)
  oval 0.94x0.305 smd: 11(3.005,-2.25) 12(3.005,-1.75) 13(3.005,-1.25) 14(3.005,-0.75) 15(3.005,-0.25) 16(3.005,0.25) 17(3.005,0.75) 18(3.005,1.25) 19(3.005,1.75) 20(3.005,2.25) 31(-3.005,2.25) 32(-3.005,1.75) 33(-3.005,1.25) 34(-3.005,0.75) 35(-3.005,0.25) 36(-3.005,-0.25) 37(-3.005,-0.75) 38(-3.005,-1.25) 39(-3.005,-1.75) 40(-3.005,-2.25)